# Altium PCB Infinit8I.PcbDoc
Units mm, origin at the board's own origin, x right, y up, seen from the top; angles counter-clockwise.
Board outline 53 x 35 mm, 2 copper layers (Top Layer, Bottom Layer); 83 components, 79 nets, 356 pads, 51 vias.
Unrouted connection lines stored in the file: 1.
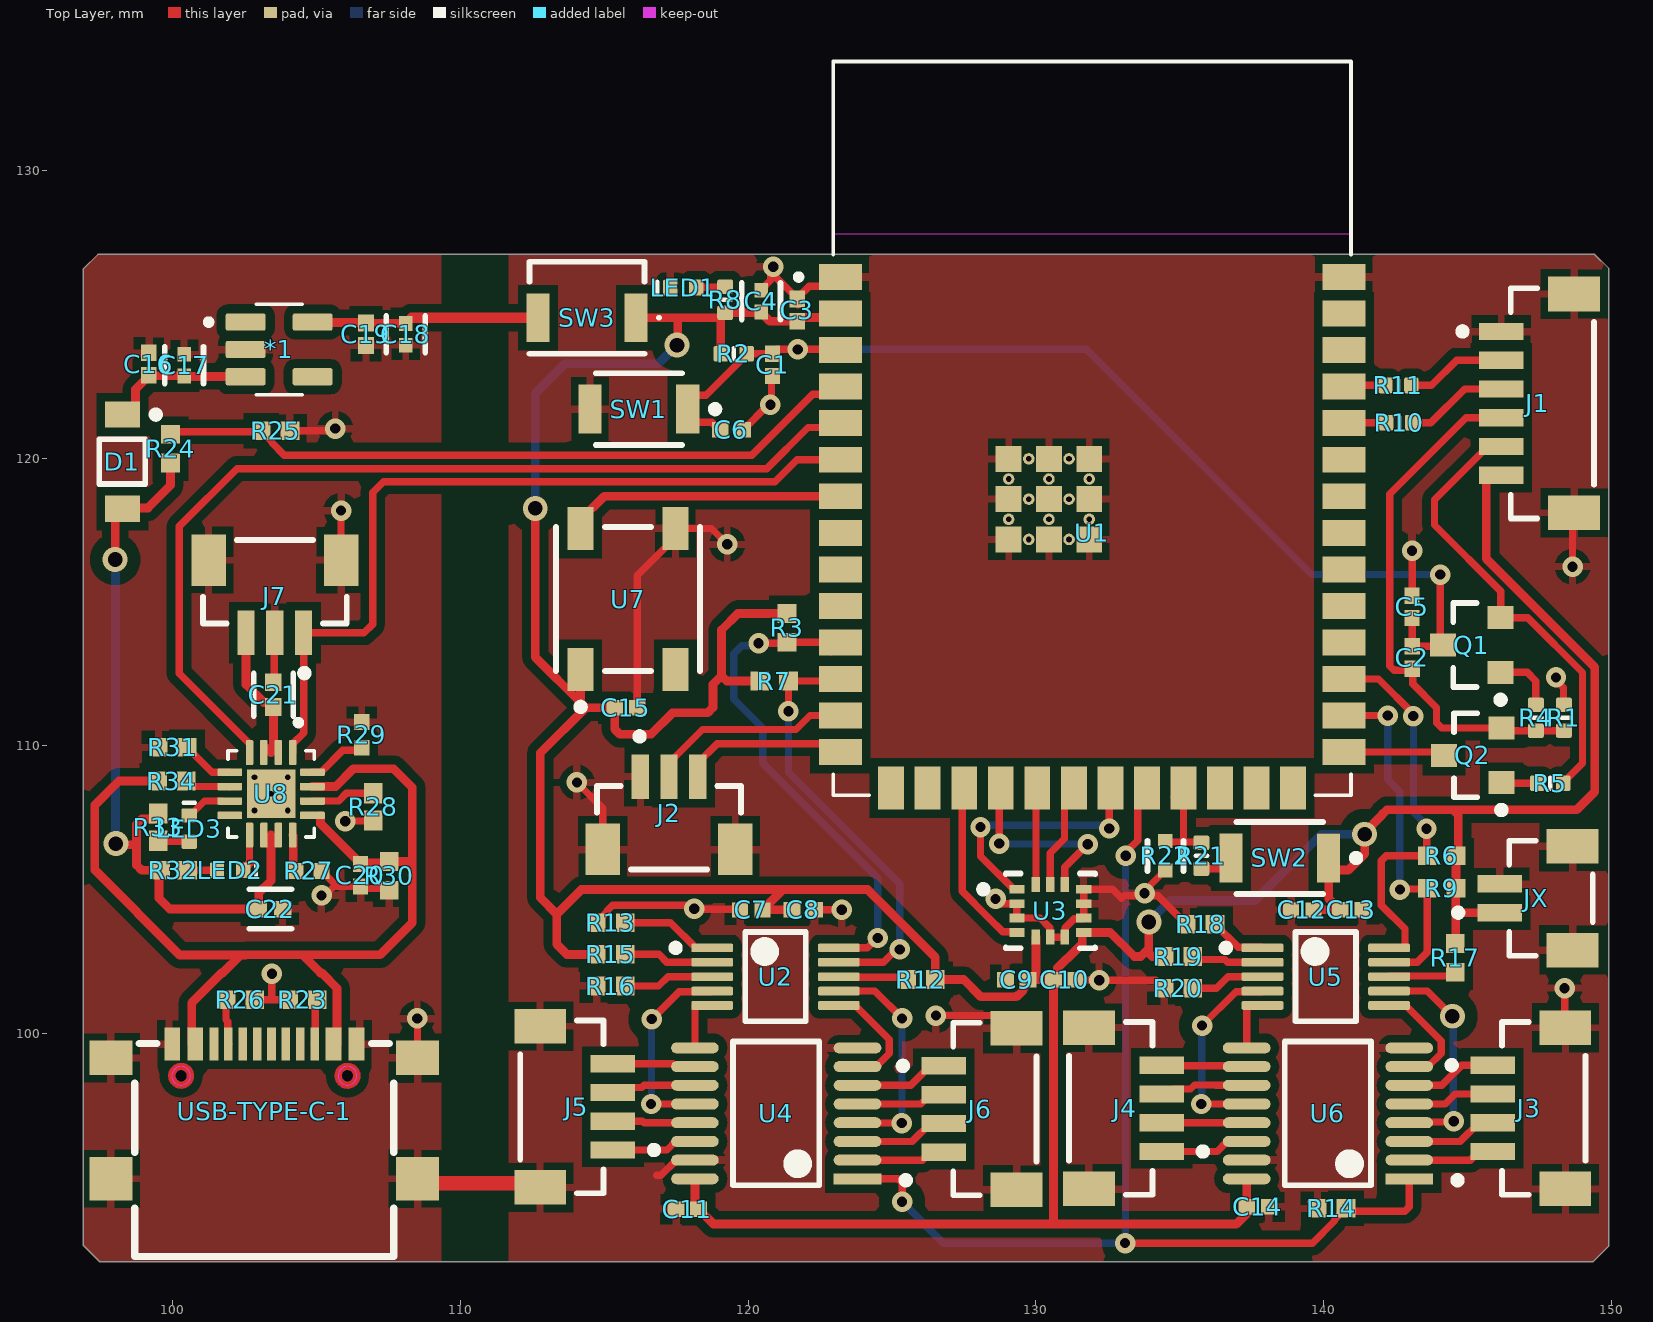
[diagram p0: Top Layer view]
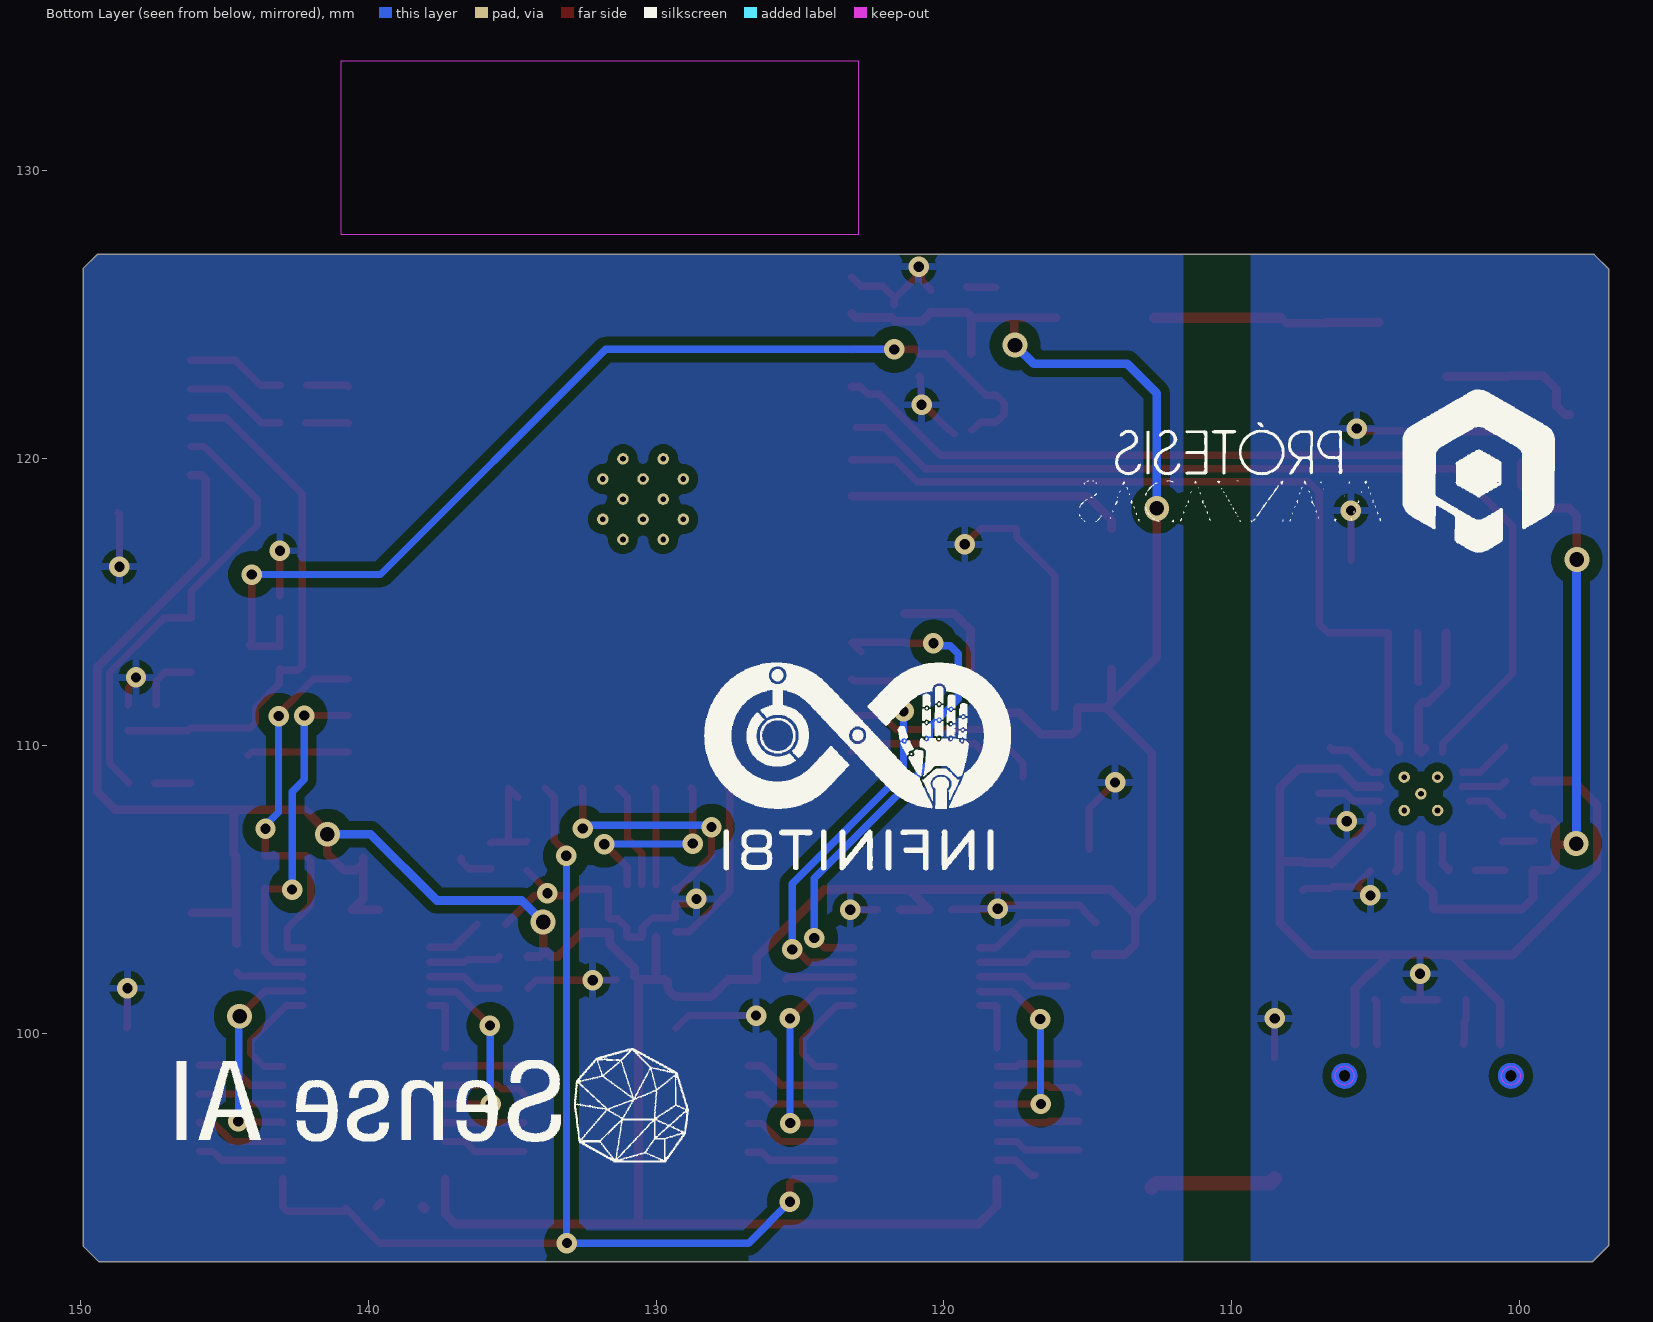
[diagram p1: Bottom Layer view, seen from below]
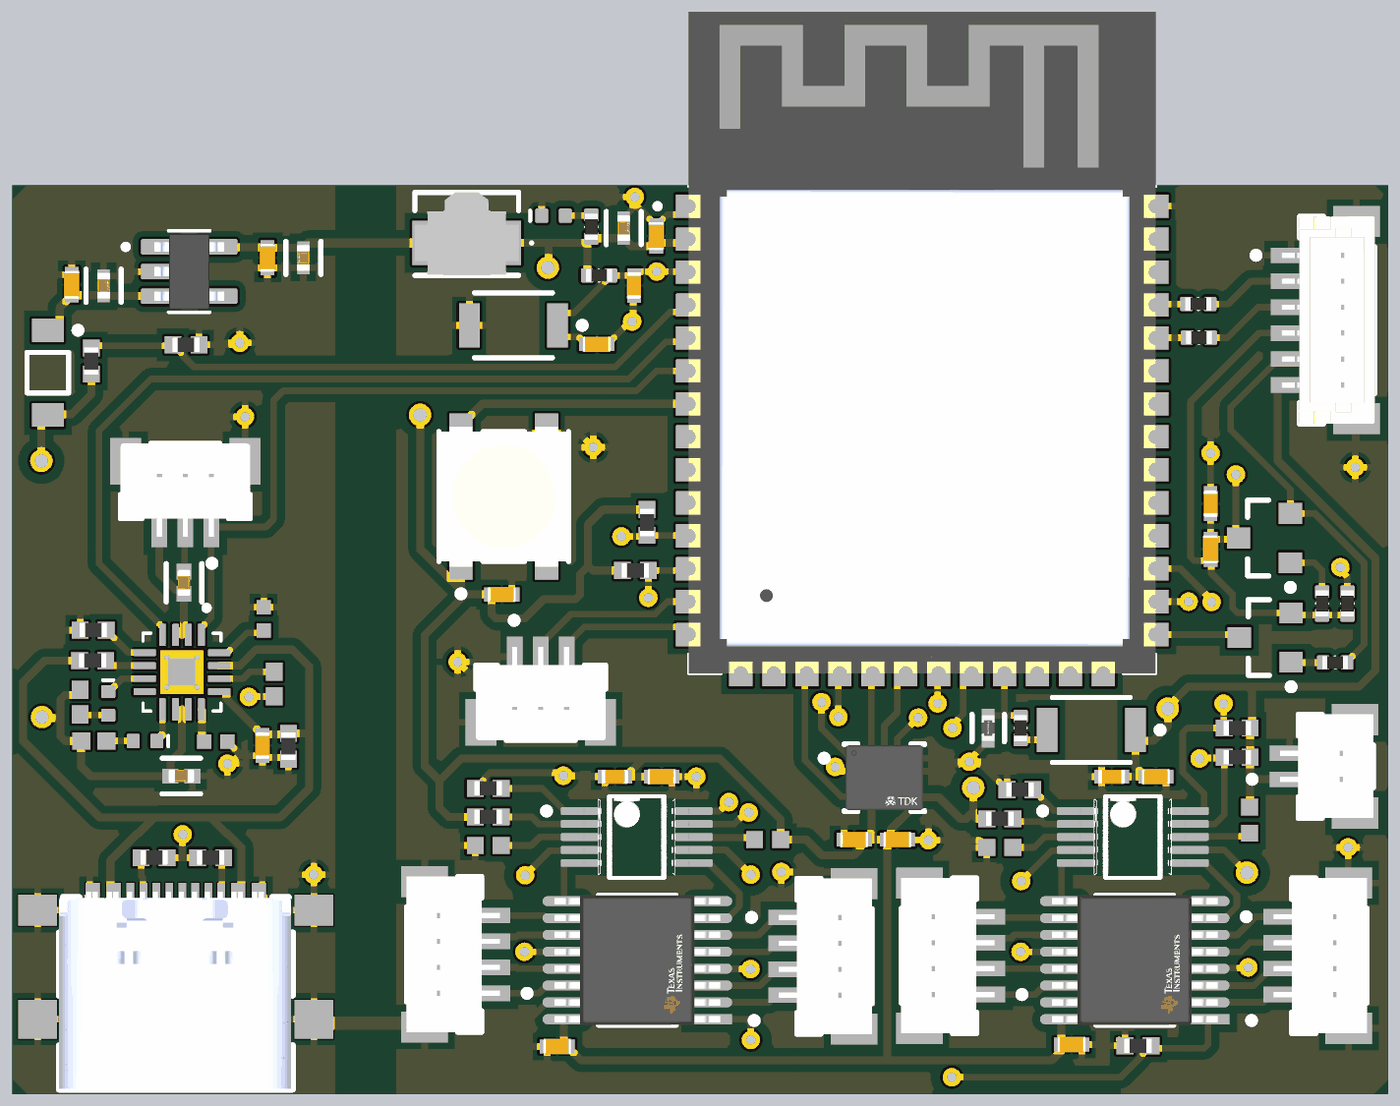
[diagram p2: 3D render of the assembled board from above, using the file's embedded part models]

## Layer stack, top to bottom
Top Solder: solder mask 0.0102, Solder Resist, Dk 3.5
Top Layer: signal copper 0.0356
Dielectric 1: dielectric 0.32, FR-4, Dk 4.8
Bottom Layer: signal copper 0.0356
Bottom Solder: solder mask 0.0102, Solder Resist, Dk 3.5

## Board outline
96.9,92.625 96.9,126.575 97.4,127.075 149.425,127.075 149.9,126.6 149.9,92.6 149.375,92.075 97.45,92.075

## Design rules (kind name [scope] priority, off if disabled: settings)
Clearance Clearance_1 [All] p1: gap=0.152 ignorepadtopadclearanceinfootprint=FALSE except(0: Arc-Hole Track-Hole SMDPad-Hole THPad-Hole Via-Hole Fill-Hole Poly-Hole Region-Hole Text-Hole; 0.305: Arc-Poly Track-Poly SMDPad-Poly THPad-Poly Fill-Poly Poly-Poly Poly-Region Poly-Text; 0.457: Via-Poly)
Clearance [All] p2: gap=0.152 ignorepadtopadclearanceinfootprint=FALSE except(0: Arc-Hole Track-Hole SMDPad-Hole THPad-Hole Via-Hole Fill-Hole Poly-Hole Region-Hole Text-Hole)
HoleSize [All] p1: absolutevalues=TRUE maxlimit=5.08 minlimit=0.025 maxpercent=80.000 minpercent=20.000
MinimumSolderMaskSliver [All] p1: minsoldermaskwidth=0.051
NetsToIgnore [InNet('AGND')] p1:
PolygonConnect [All] p1: connectstyle=Relief reliefconductorwidth=0.254 reliefentries=4 polygonreliefangle="90 Angle" airgapwidth=0.254
RoutingVias [All] p1: holewidth=0.508 width=0.864 viastyle="Through Hole" minholewidth=0.356 minwidth=0.711 maxholewidth=0.711 maxwidth=1.27
SilkToSilkClearance [All] p1 off: silktosilkclearance=0.051
SilkToSolderMaskClearance [IsPad] p1: minsilkscreentomaskgap=0.051 clearancetoexposedcopper=TRUE
SolderMaskExpansion SolderMaskExpansion_1 [IsVia] p1: expansion=0 istentingtop=FALSE soldermaskfromhole=TRUE
SolderMaskExpansion [All] p2: expansion=0.102 istentingtop=FALSE
SupplyNets "Schematic Supply Nets_1" [InNet('VCC')] p1: voltage=0.000
SupplyNets "Schematic Supply Nets" [InNet('GND')] p2: voltage=0.000
Width [All] p1: maxlimit=0.61 minlimit=0.203 preferedwidth=0.305
26 further rules are at their usual default settings.

## Classes and differential pairs
component class Sensors: C7 C8 C9 C10 C11 C12 C13 C14 J3 J4 J5 J6 JX R12 R13 R14 R15 R16 R17 R18 R19 R20 U2 U3 U4 U5 U6
component class Interfaces: C15 R21 R22 SW2 U7
component class ESP32: C1 C2 C3 C4 C5 C6 J1 J2 LED1 Q1 Q2 R1 R2 R3 R4 R5 R6 R7 R8 R9 R10 R11 SW1 U1
component class Batterie: *1 C16 C17 C18 C19 C20 C21 C22 D1 J7 LED2 LED3 R23 R24 R25 R26 R27 R28 R29 R30 R31 R32 R33 R34 SW3 U8 USB-TYPE-C-1

## Components (designator, comment, footprint, x,y, rotation, side; value= is the part's Value field where it differs from the comment)
*1 "MIC5219" SOT95P280X145-5N 103.7,123.775 r0 top
C1 "Capacitor 1 uF +/- 10% 6.3 V 0402" CAPC1005X55X25LL05T10 120.85,123.235 r270 top value=1µF
C2 "Capacitor 0.1 uF +/- 5% 16 V 0402" CAPC1005X56X25LL10T15 143.075,113.065 r270 top value=100nF
C3 "Capacitor 0.1 uF +/- 5% 16 V 0402" CAPC1005X56X25LL10T15 121.7,125.14 r90 top value=100nF
C4 "CL05A226MQ5QUNC" FP-CL746-IPC_C 120.45,125.45 r90 top
C5 "Capacitor 1 uF +/- 10% 6.3 V 0402" CAPC1005X55X25LL05T10 143.075,114.825 r90 top value=1µF
C6 "Capacitor 0.1 uF +/- 5% 16 V 0402" CAPC1005X56X25LL10T15 119.415,120.975 r0 top value=100nF
C7 "Capacitor 1 uF +/- 10% 6.3 V 0402" CAPC1005X55X25LL05T10 120.11,104.3 r180 top value=1µF
C8 "Capacitor 0.1 uF +/- 5% 16 V 0402" CAPC1005X56X25LL10T15 121.915,104.3 r0 top value=100nF
C9 "Capacitor 0.1 uF +/- 5% 16 V 0402" CAPC1005X56X25LL10T15 129.335,101.875 r180 top value=100nF
C10 "Capacitor 0.1 uF +/- 5% 16 V 0402" CAPC1005X56X25LL10T15 131,101.875 r0 top value=100nF
C11 "Capacitor 0.1 uF +/- 5% 16 V 0402" CAPC1005X56X25LL10T15 117.885,93.9 r180 top value=100nF
C12 "Capacitor 1 uF +/- 10% 6.3 V 0402" CAPC1005X55X25LL05T10 139.26,104.3 r180 top value=1µF
C13 "Capacitor 0.1 uF +/- 5% 16 V 0402" CAPC1005X56X25LL10T15 140.965,104.3 r0 top value=100nF
C14 "Capacitor 0.1 uF +/- 5% 16 V 0402" CAPC1005X56X25LL10T15 137.715,93.975 r0 top value=100nF
C15 "Capacitor 0.1 uF +/- 5% 16 V 0402" CAPC1005X56X25LL10T15 115.75,111.325 r0 top value=100nF
C16 "Capacitor 0.1 uF +/- 5% 16 V 0402" CAPC1005X56X25LL10T15 99.175,123.265 r90 top value=100nF
C17 "CL05A226MQ5QUNC" FP-CL746-IPC_C 100.4,123.229 r90 top
C18 "CL05A226MQ5QUNC" FP-CL746-IPC_C 108.1,124.3 r270 top
C19 "Capacitor 0.1 uF +/- 5% 16 V 0402" CAPC1005X56X25LL10T15 106.718,124.304 r270 top value=100nF
C20 "Capacitor 1 uF +/- 10% 6.3 V 0402" CAPC1005X55X25LL05T10 106.525,105.5 r270 top value=1µF
C21 "GRM155R60J475ME47D" FP-GRM155-0_1-IPC_B 103.5,111.775 r90 top
C22 "GRM155R60J475ME47D" FP-GRM155-0_1-IPC_B 103.396,104.325 r0 top
D1 "NRVB130T1G" ONSC-SOD-123-2-425-04_V 98.25,119.875 r270 top
J1 "BM06B-SRSS-TBT(LF)(SN)" FP-BM06B-SRSS-TBT_LF_SN-MFG 147.95,121.9 r270 top
J2 "BM03B-SRSS-TBT(LF)(SN)" FP-BM03B-SRSS-TBT_LF_SN-MFG 117.25,107.15 r0 top
J3 "BM04B-SRSS-TBT(LF)(SN)" FP-BM04B-SRSS-TBT_LF_SN-MFG 147.65,97.4 r270 top
J4 "BM04B-SRSS-TBT(LF)(SN)" FP-BM04B-SRSS-TBT_LF_SN-MFG 132.6,97.4 r90 top
J5 "BM04B-SRSS-TBT(LF)(SN)" FP-BM04B-SRSS-TBT_LF_SN-MFG 113.525,97.45 r90 top
J6 "BM04B-SRSS-TBT(LF)(SN)" FP-BM04B-SRSS-TBT_LF_SN-MFG 128.575,97.375 r270 top
J7 "BM03B-SRSS-TBT(LF)(SN)" FP-BM03B-SRSS-TBT_LF_SN-MFG 103.55,115.7 r180 top
JX "BM02B-SRSS-TBT(LF)(SN)" FP-BM02B-SRSS-TBT_LF_SN-MFG 147.9,104.7 r90 top
LED1 "QBLP595-IG" QTB-QBLP595_V 117.745,125.925 r0 top
LED2 "QBLP595-Y" QTB-QBLP595_V 101.995,105.675 r180 top
LED3 "QBLP595-Y" QTB-QBLP595_V 100.575,107.12 r270 top
Q1 "MMBT4401LT1G" ONSC-SOT-23-3-318-08_V 145.15,113.5 r180 top
Q2 "MMBT4401LT1G" ONSC-SOT-23-3-318-08_V 145.177,109.667 r180 top
R1 "Resistor 1K +/-5 % 0402 63 mW" RESC0402(1005)_L 148.35,110.975 r270 top value=1k
R2 "Resistor 10K  +/-1 % 0402 63 mW" RESC0402(1005)_L 119.5,123.625 r180 top value=10k
R3 "Resistor 4k7 +/-1% 0402 100 mW" RESC1005X40X25ML05T05 121.35,114.1 r90 top value=4.7k
R4 "Resistor 1K +/-5 % 0402 63 mW" RESC0402(1005)_L 147.375,110.975 r90 top value=1k
R5 "Resistor 1K +/-5 % 0402 63 mW" RESC0402(1005)_L 147.875,108.7 r180 top value=1k
R6 "Resistor 4k7 +/-1% 0402 100 mW" RESC1005X40X25ML05T05 144.1,106.175 r0 top value=4.7k
R7 "Resistor 4k7 +/-1% 0402 100 mW" RESC1005X40X25ML05T05 120.9,112.25 r180 top value=4.7k
R8 "Resistor 1K +/-5 % 0402 63 mW" RESC0402(1005)_L 119.2,125.5 r90 top value=1k
R9 "Resistor 4k7 +/-1% 0402 100 mW" RESC1005X40X25ML05T05 144.1,105.05 r0 top value=4.7k
R10 "Resistor 10K  +/-1 % 0402 63 mW" RESC0402(1005)_L 142.625,121.225 r0 top value=10k
R11 "Resistor 10K  +/-1 % 0402 63 mW" RESC0402(1005)_L 142.6,122.525 r0 top value=10k
R12 "CRCW04021R00FKED" RESC1005X40X25ML05T05 126,101.875 r180 top
R13 "Resistor 4k7 +/-1% 0402 100 mW" RESC1005X40X25ML05T05 115.225,103.85 r0 top value=4.7k
R14 "Resistor 4k7 +/-1% 0402 100 mW" RESC1005X40X25ML05T05 140.275,93.925 r180 top value=4.7k
R15 "Resistor 4k7 +/-1% 0402 100 mW" RESC1005X40X25ML05T05 115.225,102.75 r180 top value=4.7k
R16 "CRCW04021R00FKED" RESC1005X40X25ML05T05 115.225,101.65 r180 top
R17 "CRCW04021R00FKED" RESC1005X40X25ML05T05 144.575,102.625 r270 top
R18 "Resistor 4k7 +/-1% 0402 100 mW" RESC1005X40X25ML05T05 135.725,103.8 r0 top value=4.7k
R19 "Resistor 4k7 +/-1% 0402 100 mW" RESC1005X40X25ML05T05 134.95,102.675 r180 top value=4.7k
R20 "CRCW04021R00FKED" RESC1005X40X25ML05T05 134.95,101.575 r180 top
R21 "Resistor 1K +/-5 % 0402 63 mW" RESC0402(1005)_L 135.75,106.175 r90 top value=1k
R22 "ERJ-2RKF6202X" FP-ERJ2RK-MFG 134.5,106.175 r270 top
R23 "Resistor 4k7 +/-1% 0402 100 mW" RESC1005X40X25ML05T05 104.525,101.175 r180 top value=4.7k
R24 "Resistor 1k +/-1% 0402 63 mW" RESC1005X40X25ML05T05 99.925,120.325 r90 top value=100k
R25 "Resistor 1k +/-1% 0402 63 mW" RESC1005X40X25ML05T05 103.575,120.95 r0 top value=100k
R26 "Resistor 4k7 +/-1% 0402 100 mW" RESC1005X40X25ML05T05 102.35,101.175 r0 top value=4.7k
R27 "CRCW04021K20FKED" RESC1005X40X25NL05T05 104.725,105.65 r180 top
R28 "RC0402FR-0747KL" RESC1005X40X25ML05T10 106.975,107.875 r270 top
R29 "CRCW04021K20FKED" RESC1005X40X25NL05T05 106.57,110.38 r270 top
R30 "Resistor 4k7 +/-1% 0402 100 mW" RESC1005X40X25ML05T05 107.525,105.475 r270 top value=4.7k
R31 "Resistor 4k7 +/-1% 0402 100 mW" RESC1005X40X25ML05T05 100,109.95 r180 top value=4.7k
R32 "RC0402FR-071K5L" RESC1005X40X25ML05T10 100.025,105.675 r180 top
R33 "RC0402FR-071K5L" RESC1005X40X25ML05T10 99.5,107.175 r90 top
R34 "Resistor 4k7 +/-1% 0402 100 mW" RESC1005X40X25ML05T05 99.975,108.775 r180 top value=4.7k
SW1 "B3U-1000P" OMRON-B3U-1000_V 116.2,121.7 r180 top
SW2 "B3U-1000P" OMRON-B3U-1000_V 138.475,106.1 r180 top
SW3 "B3U-3000P" OMRON-B3U-3000P_V 114.4,124.875 r180 top
U1 "ESP32-S3-WROOM-1-N8R2" XCVR_ESP32-S3-WROOM-1-N8R2 131.953,121.031 r0 top
U2 "ADS1015IDGST" FP-DGS0010A-MFG 120.95,101.975 r0 top
U3 "ICM-42605" FP-ICM-42605-MFG 130.5,104.262 r0 top
U4 "SN74LVC157APWR" FP-PW0016A-IPC_B 120.975,97.225 r180 top
U5 "ADS1015IDGST" FP-DGS0010A-MFG 140.075,101.975 r0 top
U6 "SN74LVC157APWR" FP-PW0016A-IPC_B 140.15,97.225 r180 top
U7 "WS2812B" ADAI-WS2812B_V 115.825,115.1 r90 top
U8 "BQ24075RGTR" QFN50P300X300X100-17N 103.42,108.33 r270 top
USB-TYPE-C-1 "USB-TYPE-C-020" PCBComponent_1 103.3,96.075 r0 top

## Footprints (in the part's own frame and the unit in brackets; to place one, negate y for a bottom-side part, rotate by r counter-clockwise, add the part's x,y. Pads: shape width x height; smd on the part's side, far side on the other; paste and mask are expansions set on the pad)
ADAI-WS2812B_V [mm] "SMD, 4-Leads, Body 5x5mm, Pitch 3.3mm"
  rect 1.5x0.9 smd: 1(-2.45,1.65) 2(-2.45,-1.65) 3(2.45,-1.65) 4(2.45,1.65)
  silkscreen extent -3.87,-2.5 2.5,2.5, body extent -2.7,-2.5 2.7,2.5, height 1.69
CAPC1005X55X25LL05T10 [mm] "Chip Capacitor, 2-Leads, Body 1.05x0.55mm, IPC High Density"
  rect 0.56x0.52 smd: 1(-0.39,0) 2(0.39,0)
  body extent -0.53,-0.28 0.53,0.28, height 0.55
CAPC1005X56X25LL10T15 [mm] "Chip Capacitor, 2-Leads, Body 1.10x0.60mm, IPC High Density"
  rect 0.58x0.54 smd: 1(-0.39,0) 2(0.39,0)
  body extent -0.55,-0.3 0.55,0.3, height 0.56
FP-BM02B-SRSS-TBT_LF_SN-MFG [mm]
  rect 0.6x1.55 smd paste+0 mask+0: 1(-0.5,1.775) 2(0.5,1.775)
  rect 1.2x1.8 smd paste+0 mask+0: 3(-1.8,-0.75) 4(1.8,-0.75)
  silkscreen extent -2,-1.45 2,3.35, body extent -2.5,-1.75 2.5,2.65, height 0.25
FP-BM03B-SRSS-TBT_LF_SN-MFG [mm]
  rect 0.6x1.55 smd paste+0 mask+0: 1(-1,1.775) 2(0,1.775) 3(1,1.775)
  rect 1.2x1.8 smd paste+0 mask+0: 4(-2.3,-0.75) 5(2.3,-0.75)
  silkscreen extent -2.5,-1.45 2.5,3.3, body extent -3,-1.75 3,2.65, height 0.25
FP-BM04B-SRSS-TBT_LF_SN-MFG [mm]
  rect 0.6x1.55 smd paste+0 mask+0: 1(-1.5,-1.775) 2(-0.5,-1.775) 3(0.5,-1.775) 4(1.5,-1.775)
  rect 1.2x1.8 smd paste+0 mask+0: 5(-2.8,0.75) 6(2.8,0.75)
  silkscreen extent -3,-3.32 3,1.45, body extent -3.5,-2.65 3.5,1.75, height 0.25
FP-BM06B-SRSS-TBT_LF_SN-MFG [mm]
  rect 0.6x1.55 smd paste+0 mask+0: 1(-2.5,-1.775) 2(-1.5,-1.775) 3(-0.5,-1.775) 4(0.5,-1.775) 5(1.5,-1.775) 6(2.5,-1.775)
  rect 1.2x1.8 smd paste+0 mask+0: 7(-3.8,0.75) 8(3.8,0.75)
  silkscreen extent -4,-3.25 4,1.45, body extent -4.5,-2.65 4.5,1.75, height 0.25
FP-CL746-IPC_C [mm]
  rect 0.515x0.472 smd paste+0 mask+0: 1(-0.379,0) 2(0.379,0)
  silkscreen extent -0.64,-0.67 0.64,0.67, body extent -0.74,-0.38 0.74,0.38, height 0.25
FP-DGS0010A-MFG [mm]
  rrect33% 1.45x0.3 smd paste+0 mask+0: 1(-2.2,1) 2(-2.2,0.5) 3(-2.2,0) 4(-2.2,-0.5) 5(-2.2,-1) 6(2.2,-1) 7(2.2,-0.5) 8(2.2,0) 9(2.2,0.5) 10(2.2,1)
  silkscreen extent -3.6,-1.55 1.05,1.55, body extent -3.03,-1.8 3.03,1.8, height 0.25
FP-ERJ2RK-MFG [mm]
  rect 0.475x0.5 smd paste+0 mask+0: 1(-0.513,0) 2(0.513,0)
  silkscreen extent -0.53,-0.63 0.53,0.63, body extent -0.85,-0.38 0.85,0.38, height 0.25
FP-GRM155-0_1-IPC_B [mm]
  rect 0.615x0.572 smd paste+0 mask+0: 1(-0.429,0) 2(0.429,0)
  silkscreen extent -0.74,-0.69 0.74,0.69, body extent -0.89,-0.44 0.89,0.44, height 0.25
FP-ICM-42605-MFG [mm]
  rect 0.525x0.3 smd paste+0 mask+0: 1(-1.162,0.75) 2(-1.162,0.25) 3(-1.162,-0.25) 4(-1.162,-0.75) 8(1.162,-0.75) 9(1.162,-0.25) 10(1.162,0.25) 11(1.162,0.75)
  rect 0.3x0.525 smd paste+0 mask+0: 5(-0.5,-0.913) 6(0,-0.913) 7(0.5,-0.913) 12(0.5,0.913) 13(0,0.913) 14(-0.5,0.913)
  silkscreen extent -2.45,-1.3 1.55,1.3, body extent -2.05,-1.8 2.05,1.8, height 0.25
FP-PW0016A-IPC_B [mm]
  rect 1.655x0.381 smd paste+0 mask+0: 1(-2.825,2.275)
  rrect100% 1.655x0.381 smd paste+0 mask+0: 2(-2.825,1.625) 3(-2.825,0.975) 4(-2.825,0.325) 5(-2.825,-0.325) 6(-2.825,-0.975) 7(-2.825,-1.625) 8(-2.825,-2.275) 9(2.825,-2.275) 10(2.825,-1.625) 11(2.825,-0.975) 12(2.825,-0.325) 13(2.825,0.325) 14(2.825,0.975) 15(2.825,1.625) 16(2.825,2.275)
  silkscreen extent -4.63,-2.5 1.5,2.5, body extent -3.9,-2.75 3.9,2.75, height 0.25
OMRON-B3U-1000_V [mm] "SMD, 2-Leads, Body 3x2.5mm"
  rect 0.8x1.7 smd: 1(-1.7,0) 2(1.7,0)
  silkscreen extent -2.78,-1.25 1.5,1.25, body extent -1.5,-1.25 1.5,1.25, height 1.75
OMRON-B3U-3000P_V [mm] "SMD, 2-Leads, Body 4x3.2mm"
  rect 0.8x1.7 smd: 1(-1.7,0) 2(1.7,0)
  silkscreen extent -2.55,-1.95 2,1.25, body extent -2,-1.95 2,1.25, height 1.2
ONSC-SOD-123-2-425-04_V [mm] "SOD, 2-Leads, Body 2.69x1.6mm"
  rect 0.91x1.22 smd: 1(-1.635,0) 2(1.635,0)
  silkscreen extent -1.76,-0.8 0.78,1.29, body extent -1.35,-0.8 1.35,0.8, height 1.35
ONSC-SOT-23-3-318-08_V [mm] "SOT23, 3-Leads, Body 2.92x1.3mm, Pitch 0.95mm"
  rect 0.9x0.8 smd: 1(-1,0.95) 2(-1,-0.95) 3(1,0)
  silkscreen extent -1.13,-1.46 0.65,2.02, body extent -0.65,-1.46 0.65,1.46, height 1.11
PCBComponent_1 [mm]
  rect 1.5x1.2 smd paste-100 mask+0.05: 17(-5.44,3.076) 18(5.21,3.076)
  rect 1.5x1.5 smd paste-100 mask+0.05: 19(-5.44,-1.124) 20(5.21,-1.124)
  rect 0.3x1.15 smd paste-100 mask+0.05: A1(-3.44,3.556) A4(-2.64,3.556) A5(-1.365,3.556) A6(-0.365,3.556) A7(0.135,3.556) A8(1.135,3.556) A9(2.41,3.556) A12(3.21,3.556) B1(2.96,3.556) B4(2.16,3.556) B5(1.635,3.556) B6(0.635,3.556) B7(-0.865,3.556) B8(-1.865,3.556) B9(-2.39,3.556) B12(-3.19,3.556)
  Keep-Out Layer board cut-out: 3.1,2.456 3.056,2.618 2.937,2.737 2.775,2.781 2.612,2.737 2.493,2.618 2.45,2.456 2.45,2.456 2.482,2.315 2.572,2.202 2.703,2.139 2.847,2.139 2.978,2.202 3.068,2.315 3.1,2.456
  Keep-Out Layer board cut-out: -2.68,2.456 -2.724,2.618 -2.843,2.737 -3.005,2.781 -3.168,2.737 -3.287,2.618 -3.33,2.456 -3.33,2.456 -3.298,2.315 -3.208,2.202 -3.077,2.139 -2.933,2.139 -2.802,2.202 -2.712,2.315 -2.68,2.456
  Multi-Layer circle w0.254: c-3.005,2.456 r0.325
  Multi-Layer circle w0.254: c2.775,2.456 r0.325
  silkscreen extent -4.62,-3.82 4.38,3.58, body extent -4.62,-3.8 4.32,3.8, height 3.26
QFN50P300X300X100-17N [mm]
  rrect25% 0.86x0.26 smd: 1(-1.435,0.75) 2(-1.435,0.25) 3(-1.435,-0.25) 4(-1.435,-0.75) 9(1.435,-0.75) 10(1.435,-0.25) 11(1.435,0.25) 12(1.435,0.75)
  rrect25% 0.26x0.86 smd: 5(-0.75,-1.435) 6(-0.25,-1.435) 7(0.25,-1.435) 8(0.75,-1.435) 13(0.75,1.435) 14(0.25,1.435) 15(-0.25,1.435) 16(-0.75,1.435)
  rect 1.68x1.68 smd paste-2: 17(0,0)
  round 0.4 hole 0.2 mask+0: 18(0,0) 19(-0.58,0.58) 20(0.58,0.58) 21(-0.58,-0.58) 22(0.58,-0.58)
  silkscreen extent -2.57,-1.5 1.5,1.5
QTB-QBLP595_V [mm] "SMD, 2-Leads, Body 1x0.5mm"
  rrect25% 0.5x0.55 smd: 1(-0.455,0) 2(0.455,0)
  silkscreen extent -0.9,-0.2 -0.9,0.2, body extent -0.5,-0.25 0.5,0.25, height 0.5
RESC0402(1005)_L [mm] "Chip Resistor, Body 1.0x0.5mm, IPC High Density"
  rrect25% 0.5x0.55 smd: 1(-0.45,0) 2(0.45,0)
  silkscreen extent 0,-0.2 0,0.2, body extent -0.5,-0.25 0.5,0.25, height 0.3
RESC1005X40X25ML05T05 [mm] "Chip Resistor, 2-Leads, Body 1.05x0.55mm, IPC Low Density"